# Altium PCB Graviton-EC2-Simplified.PcbDoc (part 9 of 9)
Units mm, origin at the board's own origin, x right, y up, seen from the top; angles counter-clockwise.
Board outline 200 x 200 mm, 10 copper layers (Top Layer, Internal Plane 1, Signal Layer 1, Internal Plane 2, Signal Layer 2, Signal Layer 3, Internal Plane 3, Signal Layer 4, Internal Plane 4, Bottom Layer), stack 1.674 mm thick; 774 components, 1540 nets, 6310 pads, 1698 vias.
Unrouted connection lines stored in the file: 74.
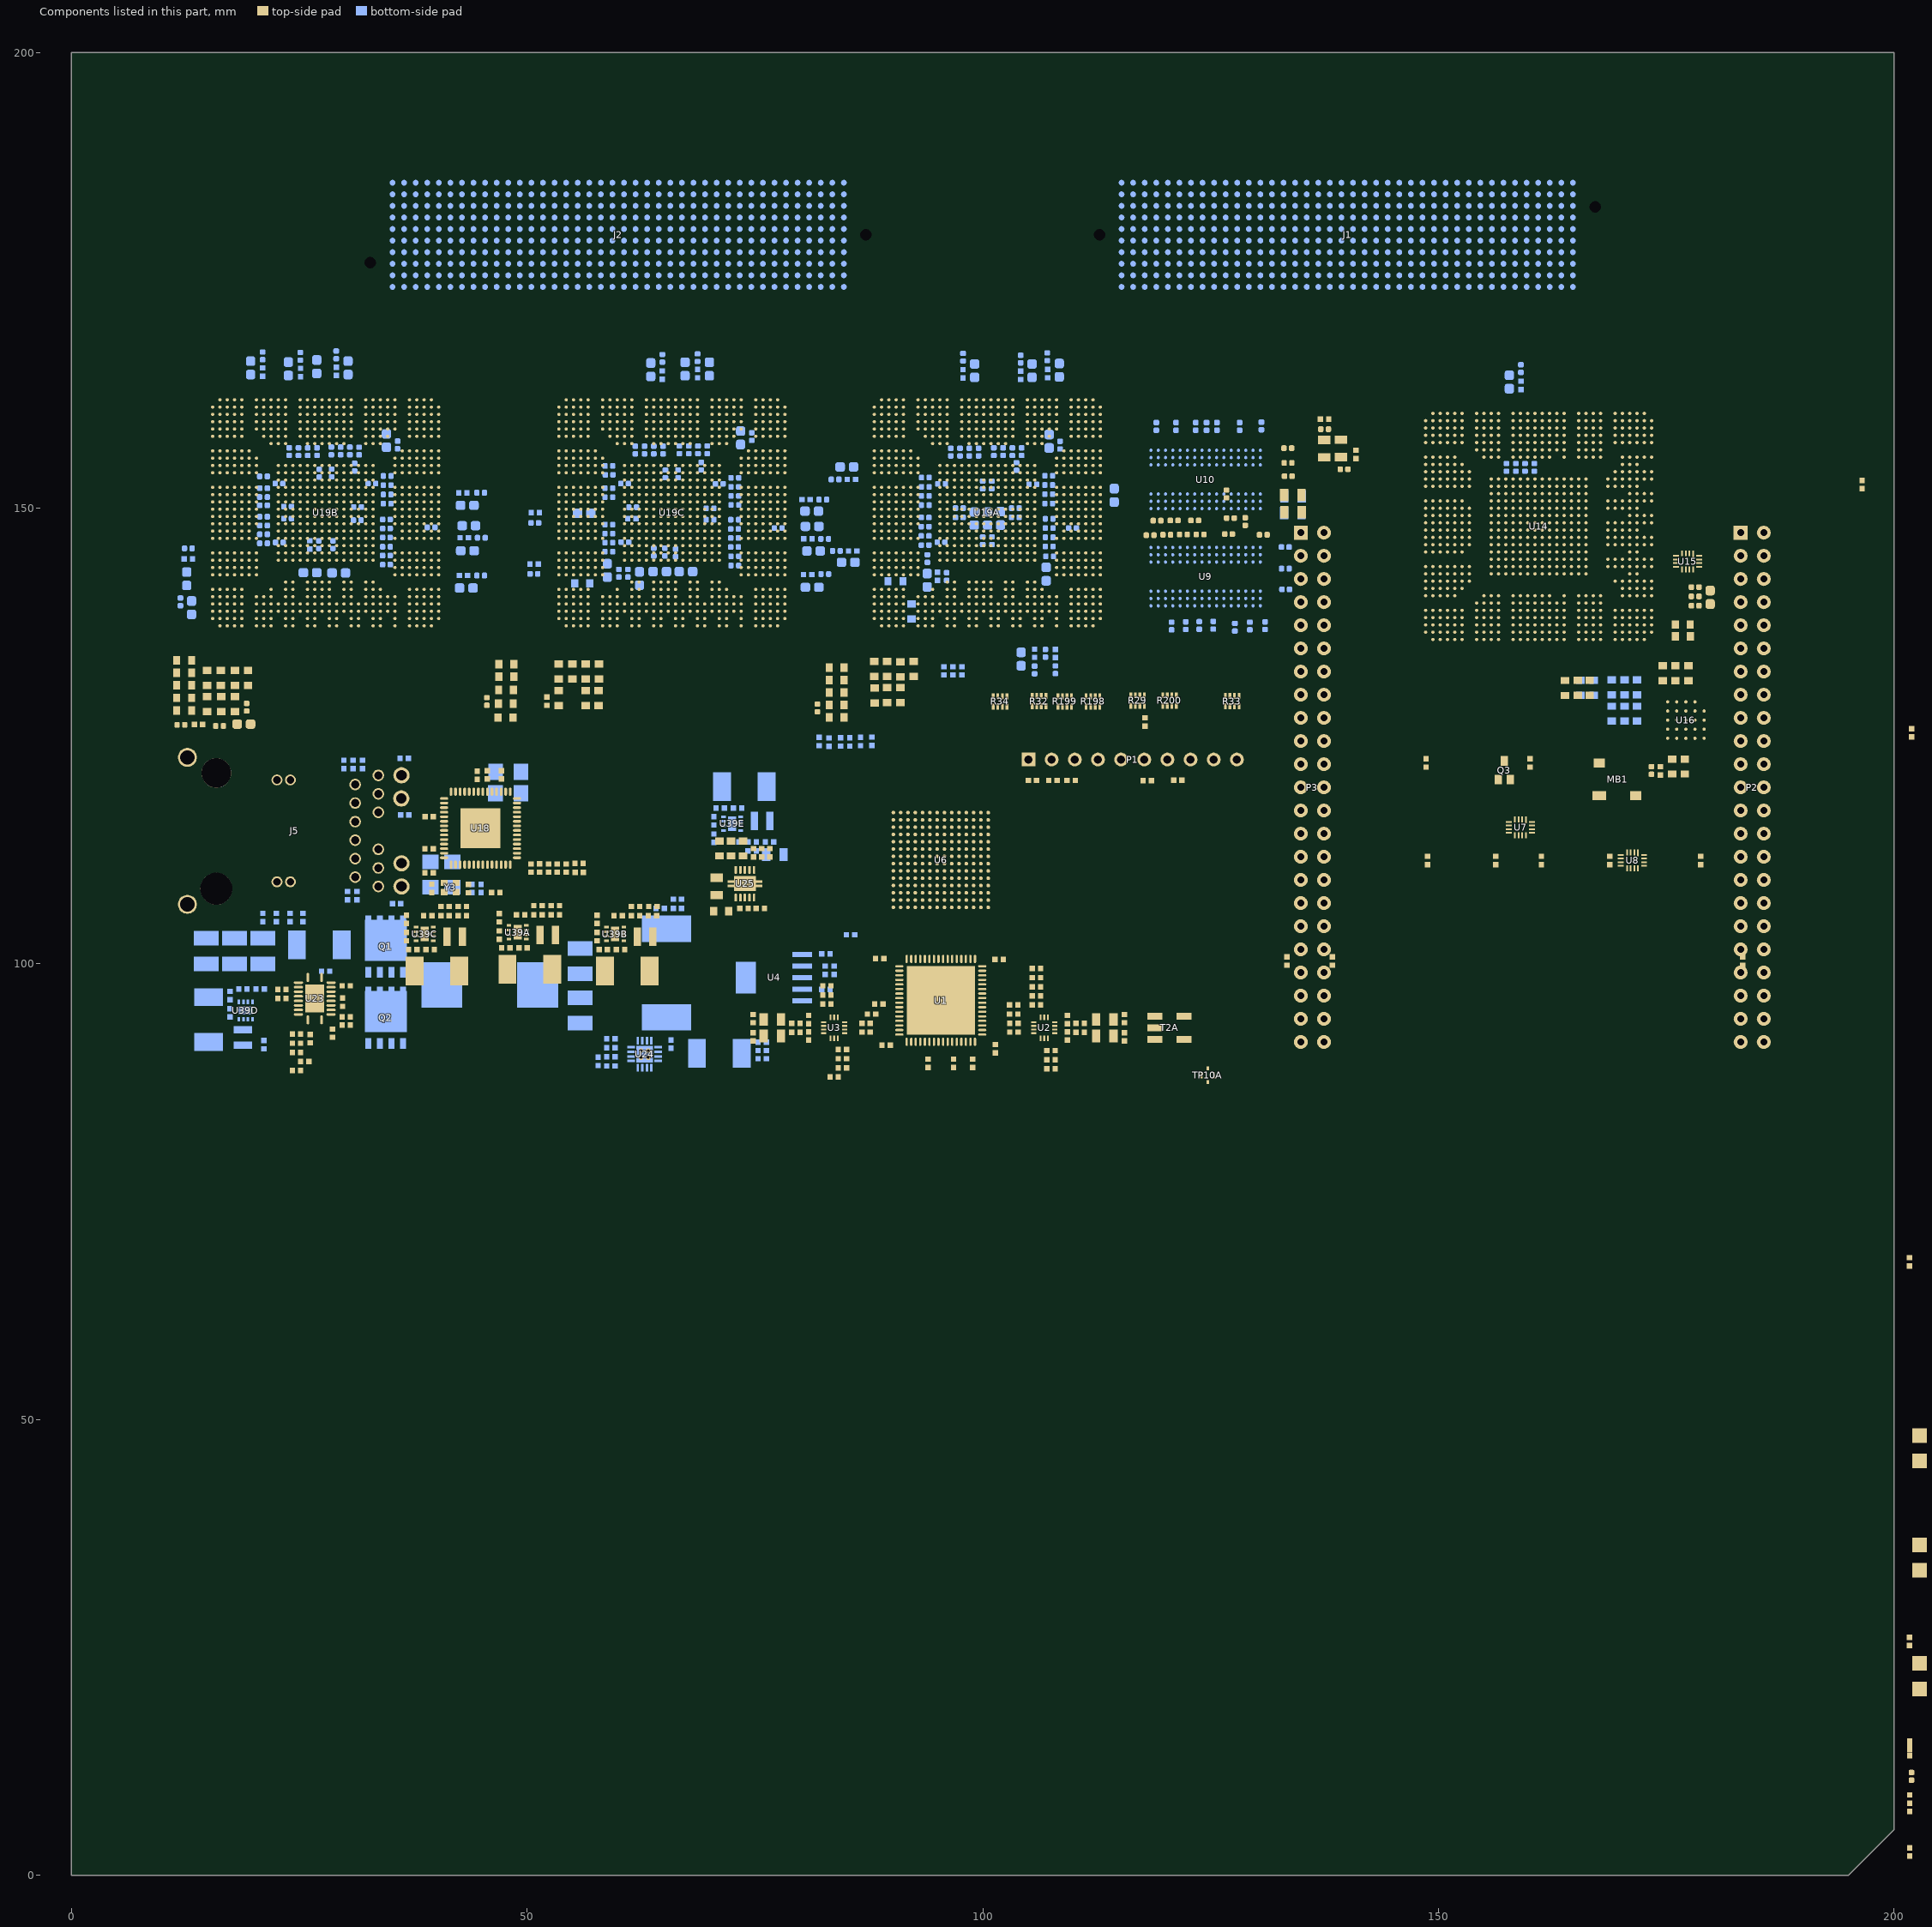
[diagram p17: the components of this part, seen from the top]

## Via types
v1: diameter 0.406, hole 0.203, Top Layer to Bottom Layer, 1443 vias
v2: diameter 0.406, hole 0.203, Top Layer to Bottom Layer, tented top, 173 vias
v3: diameter 0.66, hole 0.305, Top Layer to Bottom Layer, tented top, 36 vias
v4: diameter 0.457, hole 0.203, Top Layer to Bottom Layer, 29 vias
v5: diameter 0.6, hole 0.3, Top Layer to Bottom Layer, 10 vias
v6: diameter 0.457, hole 0.203, Top Layer to Bottom Layer, tented bottom, 5 vias
v7: diameter 0.406, hole 0.203, Top Layer to Bottom Layer, tented both sides, 2 vias

## Nets (pads, with @x,y where several pads share a name; then routed paths per layer and width w, separated by ;. In a path a pad name is that pad's centre, name@x,y a point inside that pad or via, vN(x,y) a via of type N, cw(c..) or ccw(c..) an arc to the next point about the centre after c; other vN are vias at no path point) (continued)
pads on no net: J1.79 J1.119 J1.122 J1.123 J1.125 J1.126 J1.128 J1.129 J1.132 J1.133 J1.135 J1.136 J1.138 J1.139 J1.142 J1.143 J1.145 J1.146 J1.148 J1.149 J1.152 J1.153 J1.155 J1.156 J1.158 J1.159 J1.162 J1.163 J1.165 J1.166 J1.168 J1.169 J1.172 J1.173 J1.175 J1.176 J1.178 J1.179 J1.182 J1.183 J1.185 J1.186 J1.188 J1.189 J1.192 J1.193 J1.195 J1.196 J1.198 J1.199 J1.209 J1.319 J1.399 J1.401 J1.402 J2.39 J2.119 J2.122 J2.123 J2.125 J2.126 J2.128 J2.129 J2.132 J2.133 J2.135 J2.136 J2.138 J2.139 J2.142 J2.143 J2.145 J2.146 J2.148 J2.149 J2.152 J2.153 J2.155 J2.156 J2.158 J2.159 J2.162 J2.163 J2.165 J2.166 J2.168 J2.169 J2.172 J2.173 J2.175 J2.176 J2.178 J2.179 J2.182 J2.183 J2.185 J2.186 J2.188 J2.189 J2.192 J2.193 J2.195 J2.196 J2.198 J2.199 J2.279 J2.319 J2.322 J2.323 J2.325 J2.326 J2.328 J2.329 J2.332 J2.333 J2.335 J2.336 J2.338 J2.339 J2.342 J2.343 J2.345 J2.346 J2.348 J2.349 J2.352 J2.353 J2.355 J2.356 J2.358 J2.359 J2.362 J2.363 J2.365 J2.366 J2.368 J2.369 J2.372 J2.373 J2.375 J2.376 J2.378 J2.379 J2.382 J2.383 J2.385 J2.386 J2.388 J2.389 J2.392 J2.393 J2.395 J2.396 J2.398 J2.399 J2.401 J2.402 J5.M1 J5.M2 P1.4 P1.5 P1.9 P1.10 R200.4 U1.28 U2.9 U3.9 U6.A6 U6.A7 U6.A8 U6.B6 U6.B7 U6.C3 U6.C4 U6.C11 U6.D3 U6.D4 U6.D7 U6.D11 U6.D12 U6.E3 U6.E4 U6.F3 U6.F4 U6.G3 U6.G4 U6.G12 U6.H3 U6.H4 U6.H12 U6.J3 U6.J4 U6.K3 U6.K4 U6.K12 U6.L3 U6.L4 U6.L7 U6.L11 U6.L12 U6.M3 U6.M4 U6.N6 U6.N7 U6.N8 U6.N11 U6.P6 U6.P7 U6.P8 U7.4 U7.9 U9.J1 U9.J9 U9.L1 U9.L9 U10.J1 U10.J9 U10.L1 U10.L9 U13.3 U14.A2 U14.A3 U14.A4 U14.A5 U14.A7 U14.A8 U14.A9 U14.A10 U14.A11 U14.A13 U14.A14 U14.A15 U14.A16 U14.A17 U14.A18 U14.A19 U14.A20 U14.A22 U14.A23 U14.A24 U14.A25 U14.A26 U14.A28 U14.A29 U14.A30 U14.A31 U14.AB1 U14.AB2 U14.AB3 U14.AB4 U14.AB5 U14.AB6 U14.AB7 U14.AB26 U14.AB27 U14.AB28 U14.AB29 U14.AB30 U14.AB31 U14.AB32 U14.AC1 U14.AC2 U14.AC3 U14.AC4 U14.AC5 U14.AC6 U14.AC7 U14.AC26 U14.AC27 U14.AC28 U14.AC29 U14.AC30 U14.AC31 U14.AC32 U14.AD1 U14.AD3 U14.AD4 U14.AD6 U14.AD7 U14.AD26 U14.AD27 U14.AD29 U14.AD30 U14.AD32 U14.AE1 U14.AE2 U14.AE3 U14.AE4 U14.AE5 U14.AE6 U14.AE7 U14.AE26 U14.AE27 U14.AE28 U14.AE29 U14.AE30 U14.AE31 U14.AE32 U14.AG1 U14.AG2 U14.AG24 U14.AG28 U14.AG29 U14.AG30 U14.AG31 U14.AG32 U14.AH1 U14.AH28 U14.AH30 U14.AH32 U14.AJ1 U14.AJ28 U14.AJ29 U14.AJ30 U14.AJ31 U14.AJ32 U14.AK1 U14.AK3 U14.AK9 U14.AK10 U14.AK12 U14.AK13 U14.AK15 U14.AK16 U14.AK18 U14.AK19 U14.AK21 U14.AK22 U14.AK24 U14.AK25 U14.AK28 U14.AK29 U14.AK30 U14.AK31 U14.AK32 U14.AL28 U14.AL30 U14.AL32 U14.AM28 U14.AM29 U14.AM30 U14.AM31 U14.B1 U14.B3 U14.B4 U14.B7 U14.B8 U14.B10 U14.B11 U14.B14 U14.B16 U14.B17 U14.B19 U14.B22 U14.B23 U14.B25 U14.B26 U14.B29 U14.B30 U14.C1 U14.C2 U14.C3 U14.C4 U14.C5 U14.C7 U14.C8 U14.C9 U14.C10 U14.C11 U14.C13 U14.C14 U14.C15 U14.C16 U14.C17 U14.C18 U14.C19 U14.C20 U14.C22 U14.C23 U14.C24 U14.C25 U14.C26 U14.D1 U14.D2 U14.D3 U14.D4 U14.D5 U14.D7 U14.D8 U14.D9 U14.D10 U14.D11 U14.D13 U14.D14 U14.D15 U14.D16 U14.D17 U14.D18 U14.D19 U14.D20 U14.D22 U14.D23 U14.D24 U14.D25 U14.D26 U14.E1 U14.E3 U14.E4 U14.E7 U14.E8 U14.E10 U14.E11 U14.E14 U14.E16 U14.E17 U14.E19 U14.E22 U14.E23 U14.E25 U14.E26 U14.F1 U14.F2 U14.F3 U14.F4 U14.F5 U14.F8 U14.F9 U14.F10 U14.F11 U14.F13 U14.F14 U14.F15 U14.F16 U14.F17 U14.F18 U14.F19 U14.F20 U14.F22 U14.F23 U14.F24 U14.F25 U14.G9 U14.G10 U14.G11 U14.G14 U14.G15 U14.G16 U14.G17 U14.G18 U14.G19 U14.G22 U14.G23 U14.G24 U14.H1 U14.H2 U14.H3 U14.H4 U14.H5 U14.H6 U14.H29 U14.J1 U14.J3 U14.J4 U14.J6 U14.J7 U14.K1 U14.K2 U14.K3 U14.K4 U14.K5 U14.K6 U14.K7 U14.L1 U14.L2 U14.L3 U14.L4 U14.L5 U14.L6 U14.L7 U14.L28 U14.N1 U14.N3 U14.N4 U14.N6 U14.N7 U14.N32 U14.P1 U14.P2 U14.P3 U14.P4 U14.P5 U14.P6 U14.P7 U14.P28 U14.P29 U14.P30 U14.P31 U14.P32 U14.R1 U14.R3 U14.R4 U14.R6 U14.R7 U14.R26 U14.R27 U14.R29 U14.R30 U14.R32 U14.T1 U14.T2 U14.T3 U14.T4 U14.T5 U14.T6 U14.T7 U14.T26 U14.T27 U14.T28 U14.T29 U14.T30 U14.T31 U14.T32 U14.U1 U14.U2 U14.U3 U14.U4 U14.U5 U14.U6 U14.U7 U14.U26 U14.U27 U14.U28 U14.U29 U14.U30 U14.U31 U14.U32 U14.V1 U14.V3 U14.V4 U14.V6 U14.V7 U14.V26 U14.V27 U14.V29 U14.V30 U14.V32 U14.W1 U14.W2 U14.W3 U14.W4 U14.W5 U14.W6 U14.W27 U14.W28 U14.W29 U14.W30 U14.W31 U14.W32 U14.Y1 U14.Y3 U14.Y4 U14.Y5 U14.Y6 U14.Y7 U14.Y26 U14.Y27 U14.Y28 U14.Y29 U14.Y30 U14.Y32 U16.A2 U16.A3 U16.A4 U16.A5 U16.B1 U16.B5 U16.C1 U16.C3 U16.C5 U16.D1 U16.D5 U16.E1 U16.E2 U16.E3 U16.E4 U16.E5 U18.1 U18.2 U18.4 U18.5 U18.9 U18.29 U18.57 U19A.A16 U19A.A24 U19A.A25 U19A.A26 U19A.A28 U19A.A29 U19A.A30 U19A.A31 U19A.AC4 U19A.AC26 U19A.AC29 U19A.AC31 U19A.AD26 U19A.AD27 U19A.AE7 U19A.AE26 U19A.AE27 U19A.AE28 U19A.AE29 U19A.AG2 U19A.AG24 U19A.AG31 U19A.AG32 U19A.AH32 U19A.AJ29 U19A.AJ30 U19A.AK9 U19A.AK10 U19A.AK12 U19A.AK13 U19A.AK15 U19A.AK16 U19A.AK18 U19A.AK19 U19A.AK21 U19A.AK22 U19A.AK24 U19A.AK25 U19A.AK30 U19A.B10 U19A.B16 U19A.B23 U19A.B25 U19A.B26 U19A.B29 U19A.B30 U19A.C10 U19A.C16 U19A.C23 U19A.C24 U19A.C25 U19A.C26 U19A.D16 U19A.D23 U19A.D24 U19A.D25 U19A.D26 U19A.E7 U19A.E16 U19A.E23 U19A.E25 U19A.E26 U19A.F16 U19A.F23 U19A.F24 U19A.F25 U19A.G9 U19A.G10 U19A.G11 U19A.G14 U19A.G15 U19A.G16 U19A.G17 U19A.G18 U19A.G19 U19A.G22 U19A.G23 U19A.G24 U19A.H4 U19A.H29 U19A.L5 U19A.L28 U19A.V3 U19A.V27 U19A.V30 U19A.W6 U19A.W27 U19B.A10 U19B.A11 U19B.A13 U19B.A14 U19B.A15 U19B.A16 U19B.A24 U19B.A25 U19B.A26 U19B.A28 U19B.A29 U19B.A30 U19B.A31 U19B.AC4 U19B.AC26 U19B.AC29 U19B.AC31 U19B.AD26 U19B.AD27 U19B.AE7 U19B.AE26 U19B.AE27 U19B.AE28 U19B.AE29 U19B.AG2 U19B.AG24 U19B.AG31 U19B.AG32 U19B.AH32 U19B.AJ29 U19B.AJ30 U19B.AK9 U19B.AK10 U19B.AK12 U19B.AK13 U19B.AK15 U19B.AK16 U19B.AK18 U19B.AK19 U19B.AK21 U19B.AK22 U19B.AK24 U19B.AK25 U19B.AK30 U19B.B10 U19B.B11 U19B.B14 U19B.B16 U19B.B23 U19B.B25 U19B.B26 U19B.B29 U19B.B30 U19B.C10 U19B.C11 U19B.C13 U19B.C14 U19B.C15 U19B.C16 U19B.C17 U19B.C23 U19B.C24 U19B.C25 U19B.C26 U19B.D11 U19B.D13 U19B.D14 U19B.D15 U19B.D16 U19B.D17 U19B.D23 U19B.D24 U19B.D25 U19B.D26 U19B.E7 U19B.E11 U19B.E14 U19B.E16 U19B.E23 U19B.E25 U19B.E26 U19B.F11 U19B.F13 U19B.F14 U19B.F15 U19B.F16 U19B.F23 U19B.F24 U19B.F25 U19B.G9 U19B.G10 U19B.G11 U19B.G14 U19B.G15 U19B.G16 U19B.G17 U19B.G18 U19B.G19 U19B.G22 U19B.G23 U19B.G24 U19B.H4 U19B.H29 U19B.L5 U19B.L28 U19B.V3 U19B.V27 U19B.V30 U19B.W6 U19B.W27 U19C.A10 U19C.A11 U19C.A13 U19C.A14 U19C.A15 U19C.A16 U19C.A24 U19C.A25 U19C.A26 U19C.A28 U19C.A29 U19C.A30 U19C.A31 U19C.AC4 U19C.AC26 U19C.AC29 U19C.AC31 U19C.AD26 U19C.AD27 U19C.AE7 U19C.AE26 U19C.AE27 U19C.AE28 U19C.AE29 U19C.AG2 U19C.AG24 U19C.AG31 U19C.AG32 U19C.AH32 U19C.AJ29 U19C.AJ30 U19C.AK9 U19C.AK10 U19C.AK12 U19C.AK13 U19C.AK15 U19C.AK16 U19C.AK18 U19C.AK19 U19C.AK21 U19C.AK22 U19C.AK24 U19C.AK25 U19C.AK30 U19C.B10 U19C.B11 U19C.B14 U19C.B16 U19C.B23 U19C.B25 U19C.B26 U19C.B29 U19C.B30 U19C.C10 U19C.C11 U19C.C13 U19C.C14 U19C.C15 U19C.C16 U19C.C17 U19C.C23 U19C.C24 U19C.C25 U19C.C26 U19C.D11 U19C.D13 U19C.D14 U19C.D15 U19C.D16 U19C.D17 U19C.D23 U19C.D24 U19C.D25 U19C.D26 U19C.E7 U19C.E11 U19C.E14 U19C.E16 U19C.E23 U19C.E25 U19C.E26 U19C.F11 U19C.F13 U19C.F14 U19C.F15 U19C.F16 U19C.F23 U19C.F24 U19C.F25 U19C.G9 U19C.G10 U19C.G11 U19C.G14 U19C.G15 U19C.G16 U19C.G17 U19C.G18 U19C.G19 U19C.G22 U19C.G23 U19C.G24 U19C.H4 U19C.H29 U19C.L5 U19C.L28 U19C.V3 U19C.V27 U19C.V30 U19C.W6 U19C.W27 U22.9 U23.2 U23.3 U23.6 U24.14 U24.V U25.9 Y3.2 Y3.4
copper on no net: | length 116.6
  Top Layer w0.12: 60.7,161.9 60.7,162.715 ; 61.1,162.715 61.1,161.5 61.5,161.1 ; 61.5,161.9 61.5,162.715 ; 63.1,161.9 63.1,162.715 ; 63.5,162.715 63.5,161.5 63.9,161.1 ; 63.9,161.9 63.9,162.715 ; 64.7,161.9 64.7,162.715
  Top Layer w0.127: v1(61.1,158.3) 61.5,157.9 ; v1(61.1,159.1) 61.5,158.7 ; v1(61.1,159.9) 61.5,159.5 ; v1(61.1,160.7) 61.5,160.3 ; v1(62.7,158.3) 63.1,157.9 ; v1(62.7,159.9) 63.1,159.5 ; v1(62.7,160.7) 63.1,160.3 ; v1(63.5,158.3) 63.9,157.9 ; v1(63.5,159.1) 63.9,158.7 ; v1(63.5,159.9) 63.9,159.5 ; v1(63.5,160.7) 63.9,160.3 ; v1(64.3,158.3) 64.7,157.9 ; v1(64.3,159.9) 64.7,159.5 ; v1(64.3,160.7) 64.7,160.3 ; 66.3,159.5 v1(66.7,159.9) ; 66.3,160.3 v1(66.7,160.7) ; v1(97.3,148.7) 97.7,149.1 ; v1(97.3,150.3) 97.7,149.9 ; v1(99.7,146.3) 100.1,146.7 ; v1(99.7,152.7) 100.1,152.3 ; 100.9,146.7 v1(101.3,146.3) ; 100.9,148.3 v1(101.3,147.9) ; 100.9,152.3 v1(101.3,152.7) ; 101.7,148.3 v1(102.1,147.9) ; 101.7,149.1 v1(102.1,148.7) ; 103.3,149.1 v1(103.7,148.7) ; 103.3,149.9 v1(103.7,150.3) ; 109.7,148.3 v1(110.1,147.9)
  Signal Layer 2 w0.14: v4(47.3,183.81) 47.726,183.384 47.726,171.6 ; v4(48.57,183.81) 49,183.38 49,171.5
  Signal Layer 3 w0.12: v4(47.3,180) 47.716,179.584 47.716,171.516
  Signal Layer 3 w0.14: v4(47.3,182.54) 48.144,181.696 48.144,171.61 ; v4(48.57,180) 49,179.57 49,171.5 ; v4(48.57,182.54) 49.394,181.716 49.394,171.506
  Signal Layer 4 w0.12: v4(47.3,178.73) 48.154,177.876 48.154,171.546
  Signal Layer 4 w0.14: 47.3,171.5 v4(47.3,174.92) ; v4(47.3,176.19) 47.726,175.764 47.726,171.526 ; v4(48.57,176.19) 49,175.76 49,171.5 ; v4(48.57,178.73) 49.4,177.9 49.4,171.5
  other v2: 116.561,134.772 117.892,139.243 119.659,139.694 118.859,140.494 119.659,140.494 127.66,145.294 128.46,150.362 129.261,150.362 130.861,150.362 118.859,151.162 119.659,151.162 130.061,151.162 130.861,151.162

## Polygon pours and split planes (outlines as drawn)
GND on Top Layer "TOP-GND-MOUNT" (solid, remove dead copper, pour order 16): 0,0 12.929,12.929 ccw(c20,20) 20,10 180,10 ccw(c180,20) 187.071,12.929 200,0
GND on Top Layer "TOP-GND-MOUNT" (solid, remove dead copper, pour order 14): 200,0 187.071,12.929 ccw(c180,20) 190,20 190,180 ccw(c180,180) 187.071,187.071 200,200
GND on Top Layer "TOP-GND-MOUNT" (solid, remove dead copper, pour order 12): 200,200 187.071,187.071 ccw(c180,180) 180,190 20,190 ccw(c20,180) 12.929,187.071 0,200
GND on Top Layer "TOP-GND-MOUNT" (solid, remove dead copper, pour order 10): 0,200 12.929,187.071 ccw(c20,180) 10,180 10,20 ccw(c20,20) 12.929,12.929 0,0
GND on Bottom Layer "BOT-GND-MOUNT" (solid, remove dead copper, pour order 2): 0,0 12.929,12.929 ccw(c20,20) 20,10 180,10 ccw(c180,20) 187.071,12.929 200,0
GND on Bottom Layer "BOT-GND-MOUNT" (solid, remove dead copper, pour order 4): 200,0 187.071,12.929 ccw(c180,20) 190,20 190,180 ccw(c180,180) 187.071,187.071 200,200
GND on Bottom Layer "BOT-GND-MOUNT" (solid, remove dead copper, pour order 6): 200,200 187.071,187.071 ccw(c180,180) 180,190 20,190 ccw(c20,180) 12.929,187.071 0,200
GND on Bottom Layer "BOT-GND-MOUNT" (solid, remove dead copper, pour order 8): 0,200 12.929,187.071 ccw(c20,180) 10,180 10,20 ccw(c20,20) 12.929,12.929 0,0
no net on Internal Plane 1 (split plane): 199.49,5.211 194.789,0.51 0.51,0.51 0.51,199.49 199.49,199.49
no net on Internal Plane 2 (split plane): 199.49,5.211 194.789,0.51 0.51,0.51 0.51,199.49 199.49,199.49
no net on Internal Plane 3 (split plane): 199.49,5.211 194.789,0.51 0.51,0.51 0.51,199.49 199.49,199.49
no net on Internal Plane 4 (split plane): 199.49,5.211 194.789,0.51 0.51,0.51 0.51,199.49 199.49,199.49

## Keep-outs
Keep-Out Layer:
  the board outline again, w0.508

## Other copper
Signal Layer 2:
  rectangle net PP5V: 52.5,94.5 55.2,102.6
Bottom Layer:
  rectangle net NetC339_2: 62.5,91.3 66.6,95.6
  rectangle net PP5V: 48.9,95 57.7,100.2
  rectangle net NetF1_2: 28.7,100.5 37.1,105.5
  rectangle net NetC329_1: 33.4,92.5 42.9,99.8
  rectangle net VIN48V: 23.7,99.7 25.9,105
  rectangle net VIN48V: 13.3,101.8 25.8,103.7

## Silkscreen, mask and mechanical layers (free items; w line width, h text height)
Top Solder:
  region: 0,0 195,0 197.5,2.5 187,13 cw(c180,20) 180,10.1 20,10.1 cw(c20,20) 13,13
  region: 200,200 200,5 197.5,2.5 187,13 ccw(c180,20) 189.9,20 189.9,180 ccw(c180,180) 187,187
  region: 200,200 187,187 ccw(c180,180) 180,189.9 20,189.9 ccw(c20,180) 13,187 0,200
  region: 0,200 13,187 ccw(c20,180) 10.1,180 10.1,20 ccw(c20,20) 13,13 0,0
Bottom Solder:
  region: 0,0 195,0 197.5,2.5 187,13 cw(c180,20) 180,10.1 20,10.1 cw(c20,20) 13,13
  region: 200,200 200,5 197.5,2.5 187,13 ccw(c180,20) 189.9,20 189.9,180 ccw(c180,180) 187,187
  region: 200,200 187,187 ccw(c180,180) 180,189.9 20,189.9 ccw(c20,180) 13,187 0,200
  region: 0,200 13,187 ccw(c20,180) 10.1,180 10.1,20 ccw(c20,20) 13,13 0,0
Mechanical 1:
  lines w0.076: 0.9,325.8 0.9,796.9 573.5,796.9 573.5,325.8 0.9,325.8
  lines w1: 10,88.7 189.9,88.7 ; 10,122.8 78.8,122.8 78.9,122.7 78.9,88.8
  text "DIGITAL COMPONENTS" at 4.4,335.9 h3.05
  text "ROBBIE PLEASE PLACE THESE COMPONENTS" at 4.1,328.8 h3.05
  text "DIGITAL" at 143,90 h1.52
  text "POWER" at 45,89.8 h1.52
Mechanical 2:
  lines w0.254: 0,0 195,0 197.5,2.5 200,5 200,200 0,200 0,0
Mechanical 16:
  drawing of 776 lines, arcs and shapes, not listed
  text "1" at -23.676,218.971 h1.78
  text "2" at 46.191,218.971 h1.78
  text "3" at 115.914,218.971 h1.78
  text "4" at 185.789,218.971 h1.78
  text "REV" at 255.69,213.51 h1.7
  text "DATE" at 270.93,213.51 h1.7
  text "DESC" at 283.63,213.51 h1.7
  text "ENG" at 354.75,213.51 h1.7
  text "1" at 255.69,208.43 h1.7
  text "*" at 270.93,208.43 h1.7
  text "INITIAL RELEASE" at 283.63,208.43 h1.7
  text "*" at 354.75,208.43 h1.7
  text "B" at 371,180 h1.78
  text "A" at -56.095,129.614 h1.78
  text "A" at 370.625,129.614 h1.78
  text "B" at -56.095,75.639 h1.78
  text "C" at -56.095,21.664 h1.78
  text "C" at 370.625,21.664 h1.78
  text "ENGINEER:" at 255.69,-23.98 h1.14
  text "TITLE:" at 293.79,-23.98 h1.14
  text "ALL DIMENSIONS ARE IN MM (INCHES)" at 185.205,-25.885 h1.2
  text "Brinton Engineering LLC" at 221.4,-25.885 h1.78
  text "*" at 255.69,-27.155 h1.78
  text "4 Avocet Drive 209" at 221.4,-28.425 h1.78
  text "TOLERANCES:" at 196.254,-30.076 h1.2
  text "Redwood City CA 94065" at 221.4,-30.965 h1.78
  text "*" at 294.425,-30.965 h2.2
  text "PCB DESIGNER:" at 255.69,-31.473 h1.14
  text "D" at -56.095,-32.184 h1.78
  text "D" at 370.625,-32.184 h1.78
  text "DECIMALS" at 185.205,-32.87 h1.2
  text "(858) 414 1421" at 221.4,-33.505 h1.78
  text "*" at 255.69,-34.775 h1.78
  text ".X     0.1" at 185.205,-36.045 h1.2
  text ".XX    0.05" at 185.205,-38.585 h1.2
  text "DATE:" at 255.69,-39.22 h1.14
  text "PART NO.:" at 293.79,-39.22 h1.14
  text "REV:" at 347.13,-39.22 h1.14
  text ".XXX   0.005" at 185.205,-41.125 h1.2
  text "*" at 255.69,-42.395 h1.7
  text "-" at 293.79,-42.395 h1.78
  text "1" at 347.13,-42.395 h1.78
  text "*UNLESS OTHERWISE NOTED" at 184.57,-46.84 h1.2
  text "FILE NAME:" at 255.69,-46.84 h1.14
  text "DWG NO:" at 293.79,-46.84 h1.14
  text "SCALE:" at 347.13,-46.84 h1.14
  text ".PCB_FILE_NAME_NO_PATH" at 256.96,-49.888 h1.78
  text "-" at 293.79,-50.015 h1.78
  text "1:1" at 347.13,-50.015 h1.78
  text "1" at -23.676,-55.349 h1.78
  text "2" at 46.191,-55.349 h1.78
  text "3" at 115.914,-55.349 h1.78
  text "4" at 185.789,-55.349 h1.78
Drill Drawing:
  lines w0.125: 269.77,122.78 271.04,124.05 ; 269.77,125.32 271.04,126.59 ; 271.04,122.78 272.31,124.05 ; 271.04,125.32 272.31,126.59 ; 272.31,122.78 273.58,124.05 ; 272.31,125.32 273.58,126.59 ; 273.58,122.78 274.85,124.05 ; 273.58,125.32 274.85,126.59 ; 274.85,122.78 276.12,124.05 ; 274.85,125.32 276.12,126.59 ; 276.12,122.78 277.39,124.05 ; 276.12,125.32 277.39,126.59 ; 277.39,122.78 278.66,124.05 ; 277.39,125.32 278.66,126.59 ; 278.66,122.78 279.93,124.05 ; 278.66,125.32 279.93,126.59 ; 279.93,122.78 281.2,124.05 ; 279.93,125.32 281.2,126.59 ; 281.2,122.78 282.47,124.05 ; 281.2,125.32 282.47,126.59
  lines w0.254: 240.56,115.795 240.56,138.02 309.14,138.02 309.14,115.795 ; 240.56,120.875 309.14,120.875 ; 240.56,123.415 268.5,123.415 ; 240.56,125.955 268.5,125.955 ; 240.56,128.495 309.14,128.495 ; 240.56,131.035 309.14,131.035 ; 240.56,134.21 309.14,134.21 ; 253.26,115.795 253.26,138.02 ; 270.024,132.559 270.278,132.559 ; 270.786,132.051 271.04,132.051 ; 271.04,124.177 281.2,124.177 ; 271.04,124.431 281.2,124.431 ; 271.04,124.685 281.2,124.685 ; 271.04,124.812 281.2,124.812 ; 271.04,125.066 281.2,125.066 ; 271.04,125.32 271.04,124.05 ; 271.548,132.559 271.802,132.559 ; 272.31,132.051 272.564,132.051 ; 273.072,132.559 273.326,132.559 ; 273.834,132.051 274.088,132.051 ; 274.596,132.559 274.85,132.559 ; 275.358,132.051 275.612,132.051 ; 276.12,132.559 276.374,132.559 ; 276.882,132.051 277.136,132.051 ; 277.644,132.559 277.898,132.559 ; 278.406,132.051 278.66,132.051 ; 279.168,132.559 279.422,132.559 ; 279.93,132.051 280.184,132.051 ; 280.692,132.559 280.946,132.559 ; 281.2,125.32 281.2,124.05 ; 281.454,132.051 281.708,132.051 ; 282.216,132.559 282.47,132.559 ; 285.01,115.795 285.01,138.02 ; 285.01,123.415 309.14,123.415 ; 285.01,125.955 309.14,125.955 ; 271.04,124.05 269.77,124.05 269.77,122.78 282.47,122.78 282.47,124.05 281.2,124.05 ; 271.04,124.05 281.2,124.05 ; 269.77,125.32 282.47,125.32 282.47,126.59 269.77,126.59 269.77,125.32 ; 269.77,129.13 269.77,130.4 282.47,130.4 282.47,129.13 269.77,129.13 ; 269.77,131.67 269.77,132.94 282.47,132.94 282.47,131.67 269.77,131.67
  text "1. LEAD-FREE HASL" at 242.053,153.222 h1.14
  text "2. SOLDERMASK: GREEN" at 242.053,150.682 h1.14
  text "3. SILKSCREEN: WHITE" at 241.83,148.5 h1.14
  text "4. NO BOTTOM SOLDERMASK" at 241.83,145.96 h1.14
  text "LAYER" at 241.83,135.48 h1.14
  text "FINISH" at 286.28,135.48 h1.14
  text "SILK SCREEN" at 254.53,131.67 h1.14
  text "SOLDER MASK" at 254.53,129.13 h1.14
  text "1 (TOP) S" at 241.83,126.59 h1.14
  text "COPPER (1oz.)" at 254.53,126.59 h1.14
  text "0.036 (0.0014)" at 285.645,126.59 h1.14
  text "PHENOLIC (FR-4)" at 254.53,124.05 h1.14
  text "1.57 (0.062)" at 285.645,124.05 h1.14
  text "2 (BOT) S" at 241.83,121.51 h1.14
  text "COPPER (1oz.)" at 254.53,121.51 h1.14
  text "0.036 (0.0014)" at 285.645,121.51 h1.14
  text ".Legend" at -41.49,-22.075 h1.2

## Text inside footprints (layer, text, board x,y; h text height)
MB1: Top Overlay "1" at 170.549,118.152 h0.76